# Altium PCB NIMBUS_BASEv2_B.PcbDoc (part 1 of 3) (continued)
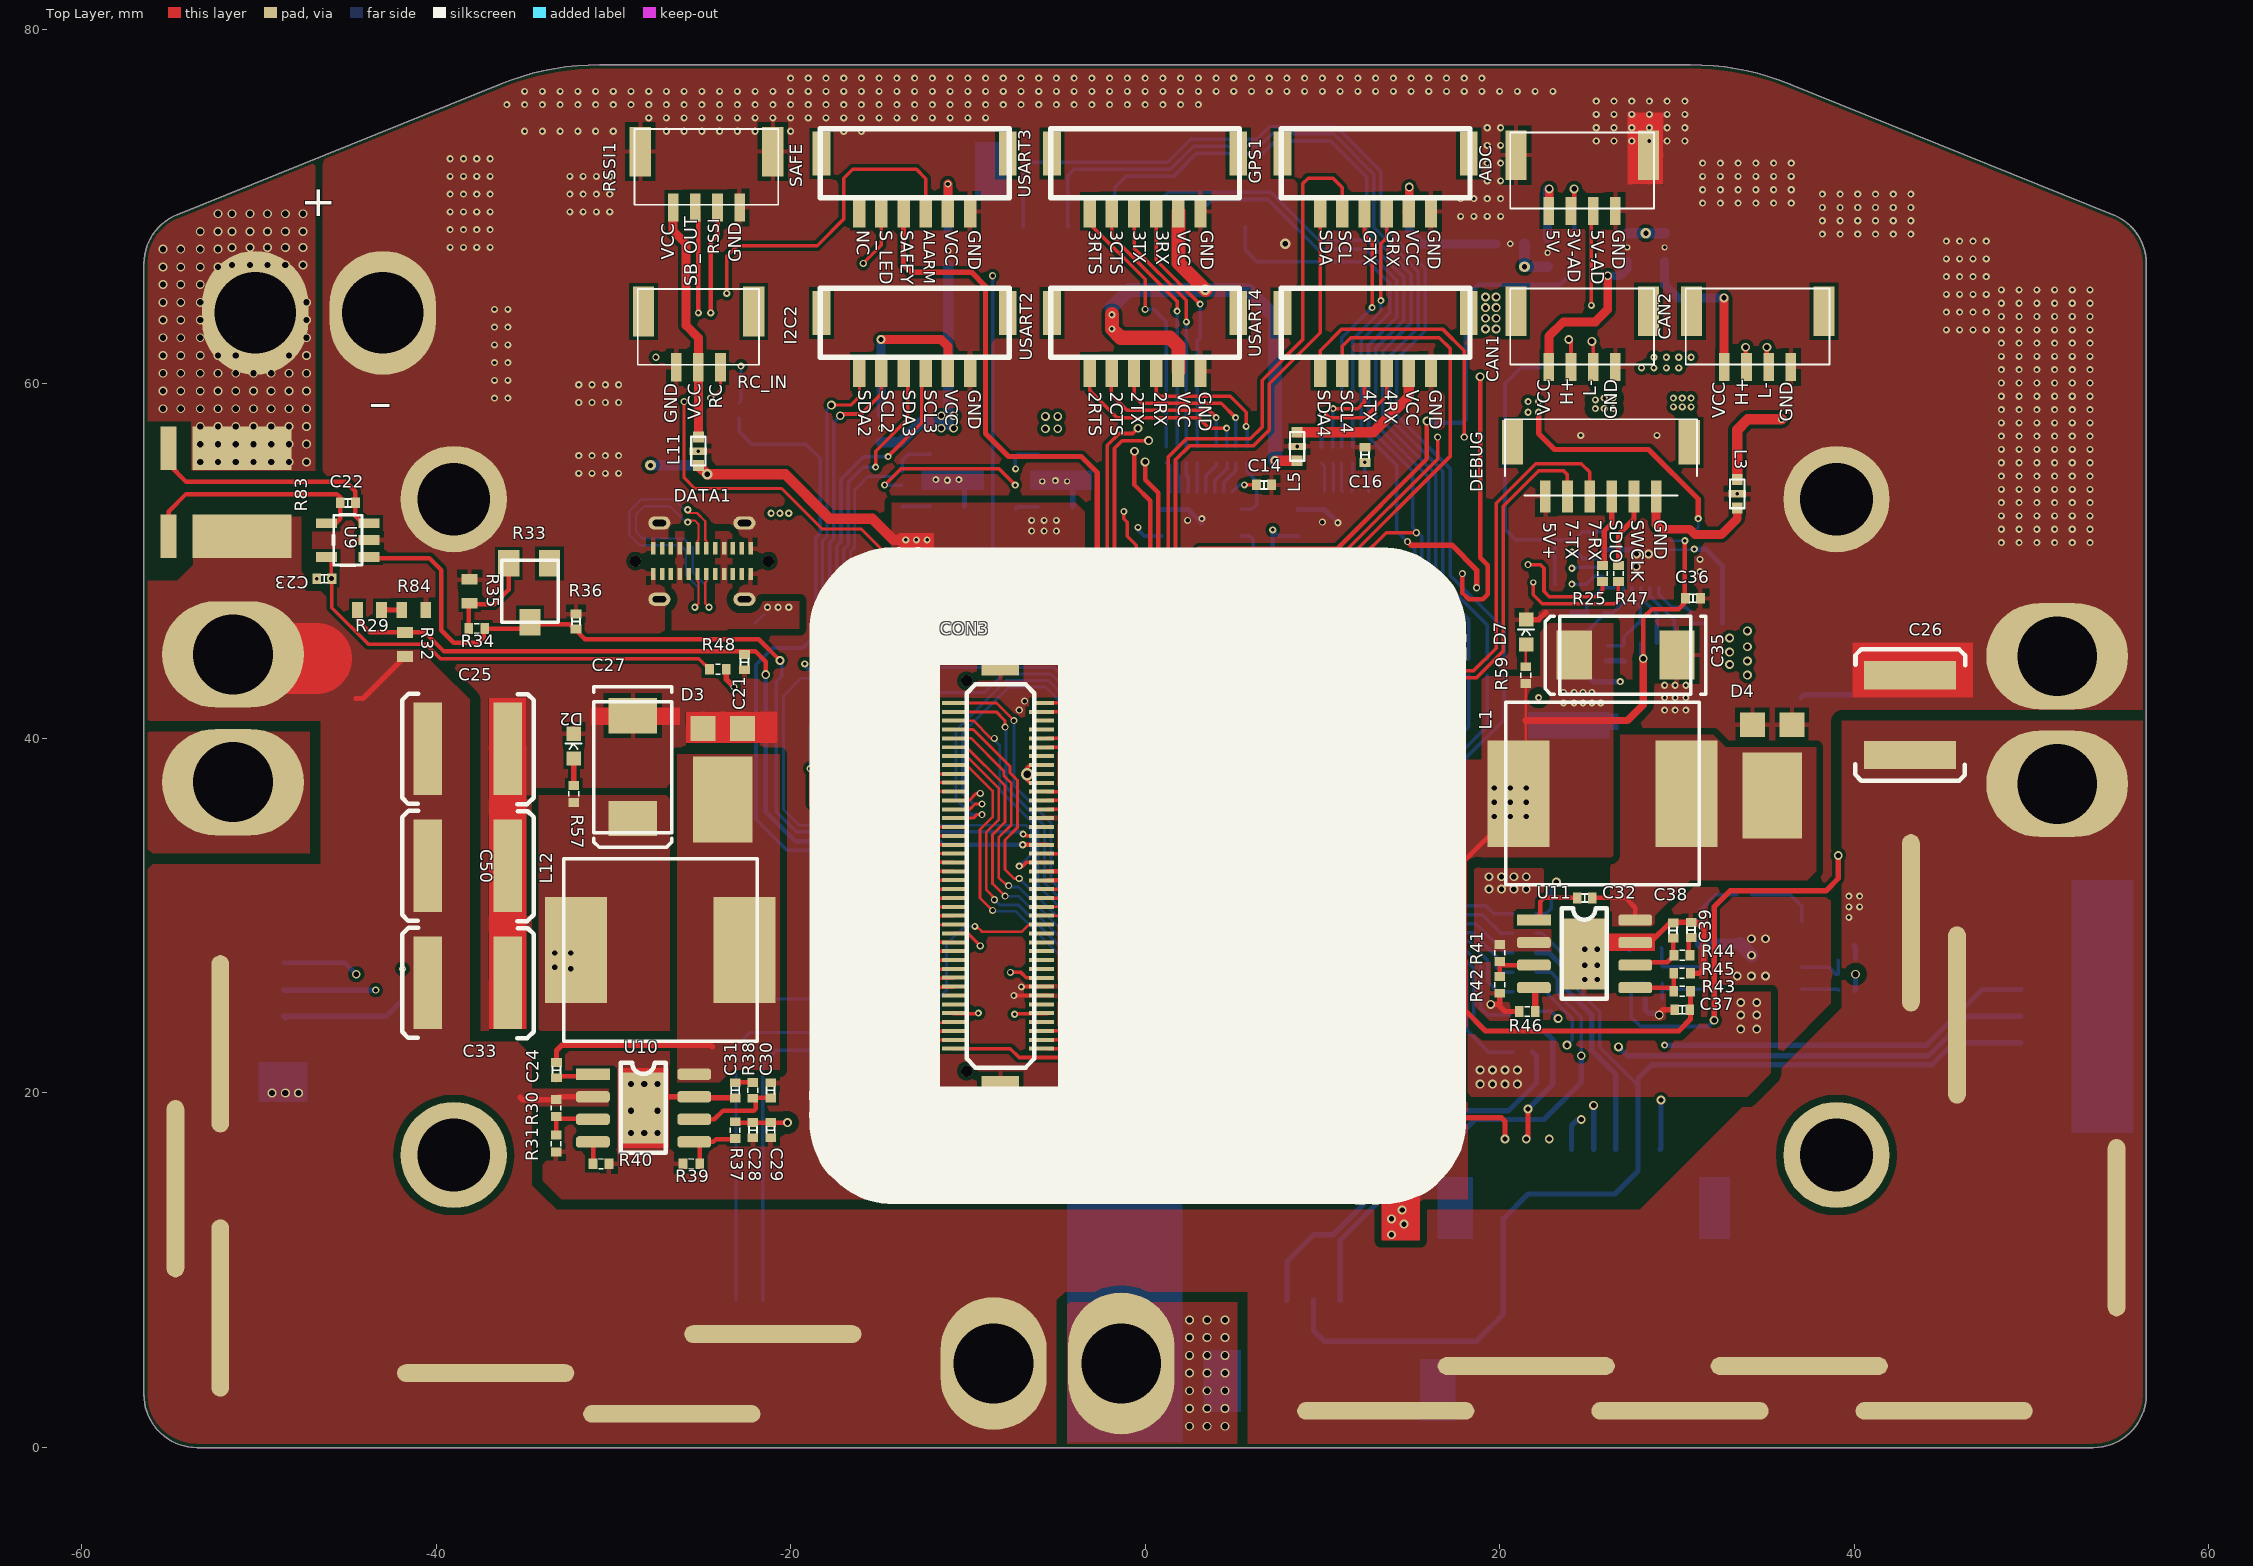
[diagram p0: Top Layer view]
## Design rules (kind name [scope] priority, off if disabled: settings)
Clearance [InNet('ESC+') vs InPolygon] p1: gap=0.6 ignorepadtopadclearanceinfootprint=FALSE except(0: Arc-Hole Track-Hole SMDPad-Hole THPad-Hole Via-Hole Fill-Hole Poly-Hole Region-Hole Text-Hole)
Clearance Clearance_2 [InNet('GND')+InNet('6V_A')+InNet('6V_B') vs InPolygon] p2: gap=0.4 ignorepadtopadclearanceinfootprint=FALSE except(0: Arc-Hole Track-Hole SMDPad-Hole THPad-Hole Via-Hole Fill-Hole Poly-Hole Region-Hole Text-Hole)
Clearance Clearance_1 [All] p3: gap=0.2 ignorepadtopadclearanceinfootprint=FALSE except(0: Arc-Hole Track-Hole SMDPad-Hole THPad-Hole Via-Hole Fill-Hole Poly-Hole Region-Hole Text-Hole)
DiffPairsRouting [All] p1: maxlimit=0.254 minlimit=0.2 mostfreqgap=0.254 toplayer_minwidth=0.1 toplayer_maxwidth=0.381 toplayer_prefwidth=0.1 midlayer1_minwidth=0.1 midlayer1_maxwidth=0.381 midlayer1_prefwidth=0.1 midlayer2_minwidth=0.1 midlayer2_maxwidth=0.381 midlayer2_prefwidth=0.1 bottomlayer_minwidth=0.1 bottomlayer_maxwidth=0.381 bottomlayer_prefwidth=0.1 maxuncoupledlength=12.7
PlaneConnect [All] p1: planeconnectstyle=Direct reliefexpansion=0.508 reliefentries=4 reliefconductorwidth=0.254 reliefairgap=0.254
PolygonConnect [InNet('BAT+')+InNet('ESC+')+InNet('5.2V_C')+InNet('5.2V_D')+InNet('6V5_A')+InNet('6V5_B')     +InNet('DC2_SW')+InNet('DC3_SW')+InNet('DC3_SW')+InNet('DC4_SW')+InNet('VDD_5V_IN')+InNet('VBUS')    ++InNet('VBUS_G')+InNet('VBUS_S')+InNet('VBUS_VS')+InNet('VDD_G')+InNet('VDD_VS')+InNet('IO-VDD_3V3')+InNet('IO1_3V3')+InNet('IO2_3V3')             +InNet('SERVO_G')+InNet('SERVO_VCC')+InNet('SERVO_VS')     +InNet('6V_A')+InNet('6V_B')                    +InNet('5V_OUT1')+InNet('5V_OUT2')    +InNet('D2_3V3')    +InNet('DC_SW')  + OnLayer('Multi-Layer')] p1: connectstyle=Direct reliefconductorwidth=0.254 reliefentries=4 polygonreliefangle="90 Angle" airgapwidth=0.254
PolygonConnect PolygonConnect_1 [All] p2: connectstyle=Relief reliefconductorwidth=0.254 reliefentries=4 polygonreliefangle="90 Angle" airgapwidth=0.254
RoomDefinition 10_Power_LDOO [InComponentClass('10_Power_LDOO')] p1: confinementstyle=ConfineIn formatcopy=TRUE lockcomponents=FALSE outline 57.574,1.468 105.074,1.468 105.074,6.368 57.574,6.368
RoomDefinition 03_DATA_CON [InComponentClass('03_DATA_CON')] p2: confinementstyle=ConfineIn formatcopy=TRUE lockcomponents=FALSE outline 57.674,1.568 83.574,1.568 83.574,14.668 57.674,14.668
RoomDefinition 11_AP-DC_C [InComponentClass('11_AP-DC_C')] p3: confinementstyle=ConfineIn formatcopy=TRUE lockcomponents=FALSE outline 51.074,2.068 132.374,2.068 132.374,16.968 51.074,16.968
RoomDefinition 09_6V-DC_B [InComponentClass('09_6V-DC_B')] p4: confinementstyle=ConfineIn formatcopy=TRUE lockcomponents=FALSE outline -87.725,-39.732 -36.925,-39.732 -36.925,-14.332 -87.725,-14.332
RoomDefinition 08_6V-DC_A [InComponentClass('08_6V-DC_A')] p5: confinementstyle=ConfineIn formatcopy=TRUE lockcomponents=FALSE outline -87.725,-39.732 -36.925,-39.732 -36.925,-14.332 -87.725,-14.332
RoomDefinition 06_IO [InComponentClass('06_IO')] p6: confinementstyle=ConfineIn formatcopy=TRUE lockcomponents=FALSE outline 68.231,26.943 51.086,26.943 51.086,42.183 68.231,42.183
RoomDefinition 02_B_TO_B_CON [InComponentClass('02_B_TO_B_CON')] p7: confinementstyle=ConfineIn formatcopy=TRUE lockcomponents=FALSE outline 81.82,-7.982 51.086,-7.982 51.086,19.323 81.82,19.323
RoomDefinition 04_POWER_Switch [InComponentClass('04_POWER_Switch')] p8: confinementstyle=ConfineIn formatcopy=TRUE lockcomponents=FALSE outline 153.321,7.512 51.086,7.512 51.086,52.851 153.321,52.851
RoomDefinition 07_IV_sensor [InComponentClass('07_IV_sensor')] p9: confinementstyle=ConfineIn formatcopy=TRUE lockcomponents=FALSE outline 107.099,114.579 139.948,114.579 139.948,134.264 107.099,134.264
RoomDefinition 05_Power_FUSE [InComponentClass('05_Power_FUSE')] p10: confinementstyle=ConfineIn formatcopy=TRUE lockcomponents=FALSE outline -16.912,73.869 22.331,73.869 22.331,79.711 -16.912,79.711
RoutingVias [All] p1: holewidth=0.711 width=1.27 viastyle="Through Hole" minholewidth=0.711 minwidth=1.27 maxholewidth=0.711 maxwidth=1.27
SolderMaskExpansion [All] p1: expansion=0.102
Width [All] p1: maxlimit=4 minlimit=0.15 preferedwidth=0.254 toplayer_prefwidth=0.2 bottomlayer_prefwidth=0.2 minimp=50.000000 maximp=50.000000 favimp=50.000000
28 further rules are at their usual default settings.

## Classes and differential pairs
component class 10_Power_LDOO: C45 C46 C47 C65 C66 C67 U17
component class 03_DATA_CON: ADC C13 C14 C15 C16 CAN1 CAN2 DEBUG GPS1 I2C2 L3 L4 L5 L6 L7 L8 L9 L10 L11 R19 R22 R25 R27 R28 R47 R82 RC_IN RSSI1 SAFE SB_BATT U5 U6 USART2 USART3 USART4
component class 09_6V-DC_B: C32 C33 C34 C35 C36 C37 C38 C39 D4 D7 L1 R41 R42 R43 R44 R45 R46 R59 U11
component class 08_6V-DC_A: C24 C25 C26 C27 C28 C29 C30 C31 D2 D3 L12 R30 R31 R37 R38 R39 R40 R57 U10
component class 07_IV_sensor: C21 C22 C23 R29 R32 R33 R34 R35 R36 R48 R83 R84 U9
component class 06_IO: AUX_OUT C1 C63 C64 DATA1 Left "MAIN OUT" P1 P2 P3 R4 R15 R16 R18 R49 R50 R51 R52 R60 R79 R85 Right U16 U19 V_TAIL
component class 05_Power_FUSE: C17 C18 C19 C20 R24 R26 U7 U8
component class 04_POWER_Switch: C2 C3 C4 C5 C6 C7 C8 C9 C10 C11 C12 C62 R3 R5 R6 R7 R8 R9 R10 R11 R12 R13 R14 R17 R20 R21 U1 U2 U3 U4
component class 02_B_TO_B_CON: CON3
component class 11_AP-DC_C: C48 C49 C50 C51 C52 C53 C54 C55 D1 D6 L15 R1 R2 R53 R54 R55 R56 R58 U13
differential pair OTG: +OTG_P -OTG_N

## Components (designator, comment, footprint, x,y, rotation, side; value= is the part's Value field where it differs from the comment)
ADC "BM04B-GHS_DC" BM04B-GHS_DC#1 24.6,72 r180 top
AUX_OUT "BM12B-GHS-TBT" BM12B-GHS-TBT 0,72 r0 bottom
C1 "100nf" 0402CAP 16,23.4 r0 bottom value=100pF
C2 "100nf" 0402CAP 28.875,56.668 r90 bottom value=100pF
C3 "47NF" 0402CAP 26,44.8 r270 bottom value=100pF
C4 "22NF" 0402CAP 24,44.8 r270 bottom value=100pF
C5 "47UF 16V" 7343CAP 19.4,60.9 r180 bottom value=100pF
C6 "47UF 16V" 7343CAP -20.1,55.6 r90 bottom value=100pF
C7 "10nf" 0402CAP 26.3,62.6 r270 bottom value=100pF
C8 "100nf" 0402CAP 33.9,58.1 r180 bottom value=100pF
C9 "100nf" 0402CAP 8.1,25.3 r180 bottom value=100pF
C10 "22UF/16V" 0805CAP 34.6,48.8 r0 bottom value=100pF
C11 "100nf" 0402CAP 33.575,56.668 r90 bottom value=100pF
C12 "22NF" 0402CAP 30.8,44.9 r270 bottom value=100pF
C13 "100nf" 0402CAP 7.2,52.187 r270 bottom
C14 "100nf" 0402CAP 6.7,54.3 r180 top
C15 "100nf" 0402CAP -0.4,52.187 r270 bottom
C16 "100nf" 0402CAP 12.4,56 r270 top
C17 "47uf/16V" 0805CAP -4.4,51 r0 bottom
C18 "47uf/16V" 0805CAP -6.325,57.768 r180 bottom
C19 "47uf/16V" 0805CAP -10.4,50.9 r0 bottom
C20 "47uf/16V" 0805CAP -10.525,57.768 r0 bottom
C21 "100nf" 0402c -22.6,44.3 r270 top value=100nF
C22 "10NF" 0402cap -44.975,53.287 r180 top value=100nF
C23 "100NF" 0402cap -46.3,49 r0 top value=100nF
C24 "100NF" 0402c -33.2,21.287 r90 top
C25 "10uf/100v" C2220 -38.325,39.168 r0 top
C26 "10uf/100v" C2220 43.4,41.2 r90 top
C27 "47UF 16V" 7343CAP -28.9,38.387 r90 top
C28 "10NF" 0402C -22.126,17.9 r270 top
C29 "100NF" 0402C -21.126,17.9 r270 top
C30 "47PF" 0402c -21.126,20.15 r90 top
C31 "1.8PF" 0402c -23.126,20.15 r270 top
C32 "100NF" 0402c 24.8,31 r0 top
C33 "10uf/100v" C2220 -38.325,25.968 r0 top
C34 "10uf/100v" C2220 -4.5,14.8 r0 bottom
C35 "47UF 16V" 7343CAP 27.1,44.7 r0 top
C36 "10NF" 0402C 30.9,47.9 r0 top
C37 "100NF" 0402C 30.3,24.7 r180 top
C38 "47PF" 0402c 29.785,29.162 r90 top
C39 "1.8NF" 0402c 30.8,29.2 r90 top
C45 "47uf/16V" 0805CAP 5.8,20.3 r180 bottom
C46 "100NF" 0402CAP 9.032,20.287 r270 bottom value=100pF
C47 "100NF" 0402CAP 5.4,23.4 r180 bottom value=100pF
C48 "100NF" 0402c 33.786,31.187 r180 bottom
C49 "10uf/100v" C2220 43.1,37 r90 bottom
C50 "10uf/100v" C2220 -38.325,32.568 r0 top
C51 "47UF 16V" 7343CAP 38.2,45.387 r0 bottom
C52 "10NF" 0402C 26.886,26.187 r180 bottom
C53 "100NF" 0402C 26.886,25.287 r180 bottom
C54 "8.2PF" 0402c 28.686,28.187 r180 bottom
C55 "11NF" 0402c 27.3,27.587 r90 bottom
C62 "100nf" 0402CAP 24.575,56.668 r90 bottom value=100pF
C63 "100nf" 0402CAP 12.3,36.6 r0 bottom
C64 "100nf" 0402CAP 15.723,35.687 r0 bottom
C65 "100NF" 0402CAP 8.032,20.287 r90 bottom
C66 "47uf/16V" 0805CAP 10.6,20.8 r270 bottom
C67 "47uf/16V" 0805CAP 10.6,23.9 r90 bottom
CAN1 "BM04B-GHS_DC" BM04B-GHS_DC#2 24.6,63.2 r180 top
CAN2 "BM04B-GHS_DC" BM04B-GHS_DC#2 34.5,63.2 r180 top
CON3 "DF17(3.0H)-80DS-0.5V(57)" DF17(3.0H)-80DS-0.5V(57) -8.161,32.25 r270 top locked
D1 "V15PN50-M3" TO-277#1 24.3,37.7 r0 bottom
D2 "0603_LED_RED" 0603-LED-RED -32.225,39.568 r90 top
D3 "V15PN50-M3" TO-277#2 -23.8,37.587 r180 top
D4 "V15PN50-M3" TO-277#2 35.4,37.8 r180 top
D6 "0603_LED_RED" 0603-LED-RED 43.419,42.461 r0 bottom
D7 "0603_LED_RED" 0603-LED-RED 21.5,46 r90 top
DATA1 "TYPE-C 180度 带盖" TYPE-C_Posted -25,50 r0 top
DEBUG "BM06B-GHS_DC" BM06B-GHS_DC 25.7,54.9 r180 top
GPS1 "BM06B-GHS" BM06B-GHS 13,73 r0 top
I2C2 "BM06B-GHS" BM06B-GHS -13,64 r0 top
L1 "PCMB104T-100MS" 10X10L 25.8,36.887 r180 top value=10uH
L3 "KNH16C104DA5TS" KYOCERA-KNH16-DA 33.4,53.8 r270 top
L4 "KNH16C104DA5TS" KYOCERA-KNH16-DA 29.3,67.7 r90 bottom
L5 "KNH16C104DA5TS" KYOCERA-KNH16-DA 8.575,56.468 r90 top
L6 "KNH16C104DA5TS" KYOCERA-KNH16-DA 22.7,67.4 r270 bottom
L7 "KNH16C104DA5TS" KYOCERA-KNH16-DA 20.6,67.9 r180 bottom
L8 "KNH16C104DA5TS" KYOCERA-KNH16-DA 27.2,67.7 r90 bottom
L9 "KNH16C104DA5TS" KYOCERA-KNH16-DA -11.1,67.5 r90 bottom
L10 "KNH16C104DA5TS" KYOCERA-KNH16-DA -14.9,57.5 r90 bottom
L11 "KNH16C104DA5TS" KYOCERA-KNH16-DA -25.2,56.2 r90 top
L12 "PCMB104T-100MS" 10X10L -27.345,28.068 r180 top value=10uH
L15 "PCMB104T-100MS" 10X10L 33.6,37.2 r0 bottom value=10uH
Left "505405-0670" 5054050660#1 -50.7,25.087 r270 bottom
"MAIN OUT" "SM10B-GHS-TB" SM10B-GHS-TB 24.6,15.5 r0 bottom
P1 "XT60-P" XT60#1 -51.5,41.087 r270 bottom
P2 "XT60-P" XT60#2 51.5,41.087 r270 bottom
P3 "XT60-P" XT60#3 -4.9,4.687 r0 bottom
R1 "442K" R0402 39.6,27.6 r0 bottom
R2 "90.9K" R0402 39.6,26.7 r0 bottom
R3 "105k" R0402 23.6,47.1 r0 bottom value=1K
R4 "100R" 0402r 21.4,22.3 r0 bottom
R5 "75k" R0402 27,44.8 r90 bottom value=1K
R6 "1M" R0402 23.6,48.7 r0 bottom value=1K
R7 "1M" R0402 23.6,49.6 r0 bottom value=1K
R8 "105k" R0402 -13.725,54.768 r270 bottom value=1K
R9 "309k" R0402 28.4,45.4 r180 bottom value=1K
R10 "453K" R0402 32.1,46.5 r0 bottom value=1K
R11 "24.9k" R0402 28.4,46.5 r0 bottom value=1K
R12 "56K" R0402 30.316,46.5 r0 bottom value=1K
R13 "453K" R0402 25,44.8 r270 bottom value=1K
R14 "56K" R0402 25.4,47.1 r0 bottom value=1K
R15 "100R" 0402r 21.4,23.5 r0 bottom
R16 "100R" 0402R 20.25,44 r90 bottom
R17 "105k" R0402 29.8,44.9 r90 bottom value=1K
R18 "100R" 0402_4r 17.4,44 r180 bottom
R19 "100R" 0402_4r 10.8,56 r0 bottom
R20 "1M" R0402 23.6,50.5 r0 bottom value=1K
R21 "105k" R0402 -7.325,54.768 r270 bottom value=1K
R22 "0402R1K" 0402R 24.2,67.6 r90 bottom
R24 "0402R10K" 0402R -7.3,52.5 r270 bottom
R25 "0402R100R" 0402R 25.8,49.3 r90 top
R26 "0402R10K" 0402R -13.7,52.6 r270 bottom
R27 "100R" 0402_4r 4.9,55.987 r180 bottom
R28 "0402R100R" 0402R -22.9,58.5 r90 bottom
R29 "680R_0.1%" 0603r -43.75,47.25 r180 top
R30 "442K" R0402 -33.226,19.15 r90 top
R31 "90.9K" R0402 -33.226,17.15 r270 top
R32 "510R_0.1%" 0603R -41.25,47.25 r0 top
R33 "3313J-1-203" 3313J-1 -34.7,48.3 r180 top
R34 "15K/NC" 0402R -37.7,46.2 r0 top
R35 "76.8K_0.1%" 0603R -38.1,48.3 r270 top
R36 "100nf" 0402c -32.1,46.6 r90 top value=100nF
R37 "71.5K" R0402 -23.126,17.9 r90 top
R38 "15.4K" 0402R -22.126,20.15 r90 top
R39 "11K" R0402 -25.6,16 r0 top
R40 "249k" 0402R -30.7,16 r0 top
R41 "442K" R0402 20,27.9 r90 top
R42 "90.9K" R0402 20,26.1 r270 top
R43 "71.5K" R0402 30.293,25.733 r0 top
R44 "15.4K" 0402R 30.293,27.765 r0 top
R45 "11K" R0402 30.293,26.749 r180 top
R46 "249K" 0402R 21.557,24.598 r180 top
R47 "0402R100R" 0402R 26.7,49.3 r90 top
R48 "100R" R0402 -24.1,43.9 r0 top
R49 "100R" 0402r 21.4,24.6 r0 bottom
R50 "100R" 0402r 21.4,25.7 r0 bottom
R51 "100R" 0402r 21.4,26.8 r0 bottom
R52 "100R" 0402r 21.4,27.9 r0 bottom
R53 "64.9K" R0402 28.686,26.187 r180 bottom
R54 "15.4K" 0402R 28.686,27.187 r180 bottom
R55 "11.8K" R0402 28.686,25.287 r0 bottom
R56 "261K" 0402R 39.6,25.8 r0 bottom
R57 "1K" R0402 -32.225,36.868 r90 top
R58 "1K" R0402 41.119,42.461 r0 bottom
R59 "1K" R0402 21.475,43.568 r90 top
R60 "100R" 0402r 21.4,29 r0 bottom
R79 "100R" 0402r 21.4,30.1 r0 bottom
R82 "100R" 0402_4r 2.1,55.987 r180 bottom
R83 "WSLP2726L5000F" WSLP2726 -51.7,53.887 r90 top
R84 "20K_0.1%" 0603r -41.75,45.3 r270 top value=4k99
R85 "100R" 0402R 19.25,44 r90 bottom
RC_IN "BM03B-GHS" BM03B-GHS_CUAV -25.2,62.5 r180 top
Right "505405-0670" 5054050660#2 51.5,25.087 r90 bottom
RSSI1 "BM04B-GHS_DC" BM04B-GHS_DC#1 -24.8,72.2 r180 top
SAFE "BM06B-GHS" BM06B-GHS -13,73 r0 top
SB_BATT "505405-0670" 5054050660#1 -22.325,6.2 r0 bottom
U1 "LTC4417IUF#PBF" QFN24 27.716,50.4 r90 bottom
U2 "NTHD4102PT1G" 1206-8 22.4,56.8 r180 bottom
U3 "NTHD4102PT1G" 1206-8 31.116,56.8 r180 bottom
U4 "NTHD4102PT1G" 1206-8 26.7,56.8 r180 bottom
U5 "TXS0108E" VQFN20 10.875,52.168 r90 bottom
U6 "TXS0108E" VQFN20 3.175,52.168 r90 bottom
U7 "AP2311FGEG-7" QFN8_0.65 -5.059,54.545 r90 bottom
U8 "AP2311FGEG-7" QFN8_0.65 -11.159,54.563 r90 bottom
U9 "INA169" SOT23-5 -44.875,51.187 r270 top
U10 "TPS54560BQDDAR" SO_P_8#1 -28.345,19.168 r0 top value=Value
U11 "TPS54560BQDDAR" SO_P_8#1 24.736,27.868 r0 top value=Value
U13 "TPS54560BQDDAR" SO_P_8#2 34.236,27.787 r180 bottom value=Value
U16 "SN74LVC8T245" QFN24-RGY 15.7,28.187 r90 bottom
U17 "MIC5330-SSYML" MIC5530 7.906,23.005 r0 bottom
U19 "TXS0108E" VQFN20 14.497,39.505 r0 bottom
USART2 "BM06B-GHS" BM06B-GHS 0,64 r0 top
USART3 "BM06B-GHS" BM06B-GHS 0,73 r0 top
USART4 "BM06B-GHS" BM06B-GHS 13,64 r0 top
V_TAIL "505405-0670" 5054050660#2 10.25,6.2 r0 bottom

## Footprints (in the part's own frame and the unit in brackets; to place one, negate y for a bottom-side part, rotate by r counter-clockwise, add the part's x,y. Pads: shape width x height; smd on the part's side, far side on the other; paste and mask are expansions set on the pad)
10X10L [mm]
  rect 3.5x6 smd: 1(-4.75,0) 2(4.75,0)
  silkscreen extent -5.46,-5.15 5.46,5.15
0402_4r [mm]
  rect 0.525x0.5 smd: 1(-0.85,-0.425) 4(0.9,-0.425) 5(0.9,0.475) 8(-0.85,0.475)
  rect 0.25x0.5 smd: 2(-0.225,-0.425) 3(0.275,-0.425) 6(0.275,0.475) 7(-0.225,0.475)
  silkscreen extent -0.93,-0.08 0.97,0.12, body extent -0.97,-0.5 1.03,0.5, height 0.45
0402c [mm]
  rect 0.5x0.6 smd: 1(-0.425,0) 2(0.425,0)
  silkscreen extent -0.18,-0.23 0.17,0.23, body extent -0.5,-0.25 0.5,0.25, height 0.5
0402C [mm]
  rect 0.5x0.6 smd: 1(-0.425,0) 2(0.425,0)
  silkscreen extent -0.18,-0.23 0.17,0.23, body extent -0.5,-0.25 0.5,0.25, height 0.5
0402CAP [mm]
  rect 0.5x0.6 smd: 1(-0.425,0) 2(0.425,0)
  silkscreen extent -0.18,-0.23 0.17,0.23, body extent -0.5,-0.25 0.5,0.25, height 0.5
0402cap [mm]
  rect 0.5x0.6 smd: 1(-0.425,0) 2(0.425,0)
  silkscreen extent -0.18,-0.23 0.17,0.23, body extent -0.5,-0.25 0.5,0.25, height 0.5
0402r [mm]
  rect 0.5x0.6 smd: 1(-0.45,0) 2(0.45,0)
  silkscreen extent -0.13,-0.27 0.14,0.28, body extent -0.5,-0.25 0.5,0.25, height 0.3
0402R [mm]
  rect 0.5x0.6 smd: 1(-0.45,0) 2(0.45,0)
  silkscreen extent -0.13,-0.27 0.14,0.28, body extent -0.51,-0.25 0.49,0.25, height 0.3
0603-LED-RED [mm]
  rect 0.8x0.8 smd: 1(-0.7,0) 2(0.7,0)
  silkscreen extent -0.16,-0.44 0.15,0.48, body extent -0.81,-0.37 0.81,0.43, height 0.6
0603r [mm]
  rect 0.6x0.9 smd: 1(-0.675,-0.002) 2(0.675,-0.002)
  body extent -0.8,-0.4 0.8,0.4, height 0.44
0603R [mm]
  rect 0.6x0.9 smd: 1(-0.675,-0.002) 2(0.675,-0.002)
  body extent -0.8,-0.4 0.8,0.4, height 0.44
0805CAP [mm]
  rect 0.9x1.3 smd: 1(-0.85,0) 2(0.85,0)
  silkscreen extent -0.55,-0.57 0.55,0.57, body extent -1,-0.6 1,0.6, height 1.2
1206-8 [mm]
  rect 0.35x0.65 smd: 1(-0.983,-1.027) 2(-0.333,-1.027) 3(0.317,-1.027) 4(0.967,-1.027) 5(-0.983,0.855) 6(-0.333,0.855) 7(0.317,0.855) 8(0.967,0.855)
  silkscreen extent -1.52,-1 1.53,0.83, body extent -1.56,-1.19 1.54,1.01, height 1.1
3313J-1 [mm]
  rect 1.2x1.5 smd: 1(1.2,-1.575) 2(0,1.75) 3(-1.1,-1.575)
  silkscreen extent -1.6,-1.75 1.6,1.75, body extent -1.65,-1.73 1.65,1.78, height 2.1
7343CAP [mm]
  rect 2x2.75 smd: A(-2.903,0) C(2.903,0)
  silkscreen extent -4.53,-2.2 4.53,2.2, body extent -3.63,-2.12 3.67,2.18, height 2.25
5054050660#1 [mm]
  rect 1x2.25 smd: 0(-6,2.7) 0(6,2.7)
  rect 1.9x1 on Bottom Solder: 0(-2.125,4) 0(2.125,4)
  rect 0.8x2 smd: 1(-3.75,-2.1) 2(-2.25,-2.1) 3(-0.75,-2.1) 4(0.75,-2.1) 5(2.25,-2.1) 6(3.75,-2.1)
  silkscreen extent -6.75,-1.9 6.7,4.4, body extent -6.65,-2.9 6.65,4.5, height 7.33
5054050660#2 [mm]
  rect 1.9x1 on Bottom Solder: 0(-2.125,4) 0(2.125,4)
  rect 1x2.25 smd: 1(-6,2.7) 1(6,2.7)
  rect 0.8x2 smd: 1(-3.75,-2.1) 2(-2.25,-2.1) 3(-0.75,-2.1) 4(0.75,-2.1) 5(2.25,-2.1) 6(3.75,-2.1)
  silkscreen extent -6.75,-1.9 6.7,4.4, body extent -6.65,-2.9 6.65,4.5, height 7.33
BM03B-GHS_CUAV [mm]
  rect 1.2x2.8 smd: 0(-3.125,-1.581) 0(3.1,-1.581)
  rect 0.6x1.6 smd: 1(1.25,1.569) 2(0,1.569) 3(-1.25,1.569)
  silkscreen extent -3.43,-2.86 3.42,1.42, body extent -3.5,-2.8 3.5,2.15, height 4.23
BM04B-GHS_DC#1 [mm]
  rect 0.6x1.6 smd: 1(1.825,2.25) 2(0.575,2.25) 3(-0.675,2.25) 4(-1.925,2.25)
  rect 1.2x2.8 smd: 4(-3.8,-0.9) 4(3.675,-0.9)
  silkscreen extent -4.1,-2.18 4,2.1, body extent -4.17,-2.2 4.08,2.75, height 4.18
BM04B-GHS_DC#2 [mm]
  rect 1.2x2.8 smd: 0(-3.8,-0.9) 0(3.675,-0.9)
  rect 0.6x1.6 smd: 1(1.825,2.25) 2(0.575,2.25) 3(-0.675,2.25) 4(-1.925,2.25)
  silkscreen extent -4.1,-2.18 4,2.1, body extent -4.17,-2.2 4.08,2.75, height 4.18
BM06B-GHS [mm] "CUAV_6P"
  rect 1x2.5 smd: 0(-5.25,0) 0(5.25,0)
  rect 0.7x1.8 smd: 1(3.125,-3.275) 2(1.875,-3.275) 3(0.625,-3.275) 4(-0.625,-3.275) 5(-1.875,-3.275) 6(-3.125,-3.275)
  silkscreen extent -5.33,-2.5 5.32,1.4, body extent -5.4,-3.47 5.35,1.47, height 4.18
BM06B-GHS_DC [mm]
  rect 1.2x2.5 smd: 0(-5,-1.8) 0(4.975,-1.8)
  rect 0.6x1.8 smd: 1(-3.125,1.25) 2(-1.875,1.25) 3(-0.625,1.25) 4(0.625,1.25) 5(1.875,1.25) 6(3.125,1.25)
  silkscreen extent -5.43,-3.1 5.4,1.2, body extent -5.39,-3.1 5.36,1.85, height 4.2
BM12B-GHS-TBT [mm]
  rect 1.2x2.8 smd: 1(-8.738,0) 1(8.738,0)
  rect 0.6x1.6 smd: 1(6.887,3.15) 2(5.637,3.15) 3(4.387,3.15) 4(3.137,3.15) 5(1.887,3.15) 6(0.637,3.15) 7(-0.613,3.15) 8(-1.863,3.15) 9(-3.113,3.15) 10(-4.363,3.15) 11(-5.613,3.15) 12(-6.863,3.15)
  silkscreen extent -9.16,-1.27 9.16,3, body extent -9.1,-1.32 9.15,3.63, height 4.2
C2220 [mm]
  rect 1.6x5.2 smd: 1(-2.134,0.254) 2(2.366,0.254)
  silkscreen extent -3.58,-2.87 3.84,3.35, body extent -3.37,-2.48 3.62,2.98, height 2.3
DF17(3.0H)-80DS-0.5V(57) [mm] "DF17(3.0H)-80DS-0.5V(57)"
  rect 0.225x1.4 smd: 1(9.752,2.309) 2(9.252,2.309) 3(8.752,2.309) 4(8.252,2.309) 5(7.752,2.309) 6(7.252,2.309) 7(6.752,2.309) 8(6.252,2.309) 9(5.752,2.309) 10(5.252,2.309) 11(4.752,2.309) 12(4.252,2.309) 13(3.752,2.309) 14(3.252,2.309) 15(2.752,2.309) 16(2.252,2.309) 17(1.752,2.309) 18(1.252,2.309) 19(0.752,2.309) 20(0.252,2.309) 21(-0.248,2.309) 22(-0.748,2.309) 23(-1.248,2.309) 24(-1.748,2.309) 25(-2.248,2.309) 26(-2.748,2.309) 27(-3.248,2.309) 28(-3.748,2.309) 29(-4.248,2.309) 30(-4.748,2.309) 31(-5.248,2.309) 32(-5.748,2.309) 33(-6.248,2.309) 34(-6.748,2.309) 35(-7.248,2.309) 36(-7.748,2.309) 37(-8.248,2.309) 39(-9.248,2.309) 41(-9.752,-2.608) 42(-9.252,-2.608) 43(-8.752,-2.608) 44(-8.252,-2.608) 45(-7.752,-2.608) 46(-7.252,-2.608) 47(-6.752,-2.608) 48(-6.252,-2.608) 49(-5.752,-2.608) 50(-5.252,-2.608) 51(-4.752,-2.608) 52(-4.252,-2.608) 53(-3.752,-2.608) 54(-3.252,-2.608) 55(-2.752,-2.608) 56(-2.252,-2.608) 57(-1.752,-2.608) 58(-1.252,-2.608) 59(-0.752,-2.608) 60(-0.252,-2.608) 61(0.248,-2.608) 62(0.748,-2.608) 63(1.248,-2.608) 64(1.748,-2.608) 65(2.248,-2.608) 66(2.748,-2.608) 67(3.248,-2.608) 68(3.748,-2.608) 69(4.248,-2.608) 70(4.748,-2.608) 71(5.248,-2.608) 72(5.748,-2.608) 73(6.248,-2.608) 74(6.748,-2.608) 75(7.248,-2.608) 76(7.748,-2.608) 77(8.248,-2.608) 78(8.748,-2.608) 79(9.248,-2.608) 80(9.748,-2.608)